# KiCad board APDS9960 Adapter board_panel.kicad_pcb (continued)
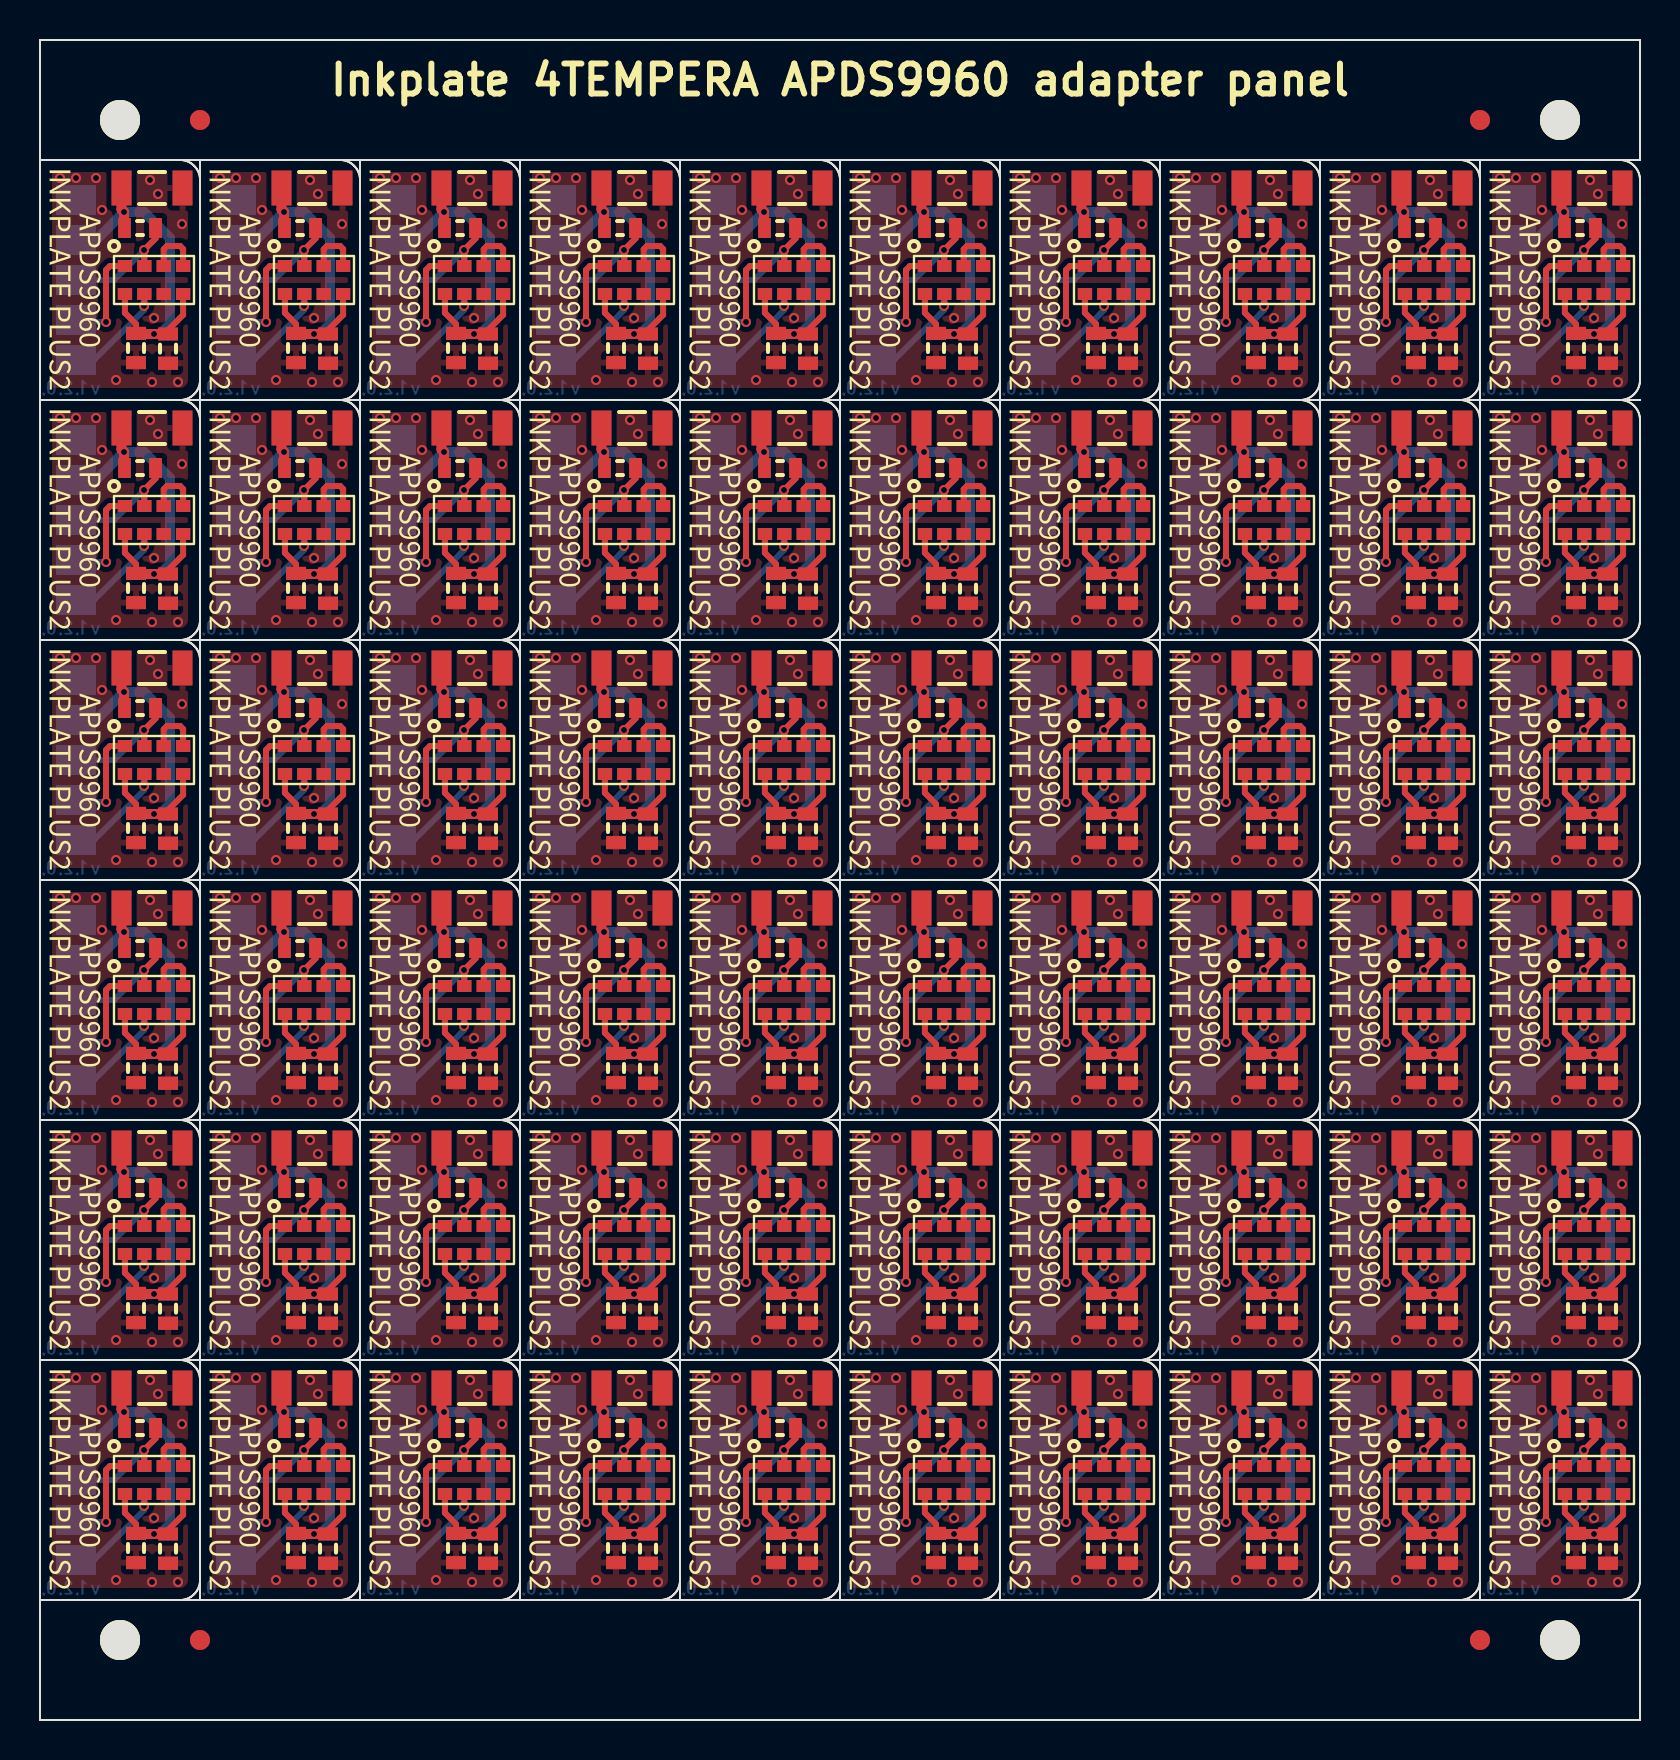
[diagram p0: board, top side]
## Routing (per net, layer and track width the routed paths; a pad name or vN(x,y) marks a point on that pad's centre or on a via; arc(x,y) is an arc through that point) (continued)
  Bottom w0.5: v1(69.7,57.3) 70,57.3 70.5,57.8 70.5,62.1 69.2,63.4 v1(68.2,63.4) 66.8,62 PAD4#39.1
Board_18-GND:
  vias: v1(65,65.1) v1(65.8,65.1) v1(66.8,65.1) v1(67.1,63.5) v1(67.8,55) v1(69.5,65) v1(69.6,54.9) v1(69.7,58.1) v1(69.9,64.3) v1(70.9,54.9) v1(71.1,62.8)
Board_18-I2C_SCL: length 5.2
  Top w0.3: U1#32.7 69.22,58.72 v1(69.2,58.7)
  Bottom w0.3: PAD2#15.1 66.7,56 69.2,58.5 v1(69.2,58.7)
Board_18-I2C_SDA: length 5.2
  Top w0.3: v1(67.3,57.9) 67.3,60.5 67.5,60.7 U1#32.1
  Bottom w0.3: PAD1#56.1 65.9,57.9 v1(67.3,57.9)
Board_18-INT_APDS: length 6.2
  Top w0.3: R1#7.1 69.78,62.08 v1(69.2,61.5) 69.22,61.49 U1#32.2
  Bottom w0.3: v1(69.2,61.5) 67.7,60 PAD3#27.1
Board_18-Net-(U1-Pad3): length 2.8
  Top w0.3: U1#32.3 70.19,61.54 70.35,61.7 71,61.7 71.16,61.55 U1#32.4
Board_19-3V3: length 20
  Top w0.3: U1#53.5 79.16,58.26 78.4,57.5 C2#2.2 ; U1#53.8 76.25,58.36 76.8,57.8 C1#26.2
  Top w0.5: C1#26.2 76.83,57.3 C2#2.2 v1(77.7,57.3) ; C3#6.2 76.08,63.53 v1(76.2,63.4) 76.2,62.63 R1#50.2
  Bottom w0.5: PAD4#38.1 74.8,62 v1(76.2,63.4) 77.2,63.4 78.5,62.1 78.5,57.8 78,57.3 v1(77.7,57.3)
Board_19-GND:
  vias: v1(73,65.1) v1(73.8,65.1) v1(74.8,65.1) v1(75.1,63.5) v1(75.8,55) v1(77.5,65) v1(77.6,54.9) v1(77.7,58.1) v1(77.9,64.3) v1(78.9,54.9) v1(79.1,62.8)
Board_19-I2C_SCL: length 5.2
  Top w0.3: U1#53.7 77.22,58.72 v1(77.2,58.7)
  Bottom w0.3: PAD2#54.1 74.7,56 77.2,58.5 v1(77.2,58.7)
Board_19-I2C_SDA: length 5.2
  Top w0.3: U1#53.1 75.5,60.7 75.3,60.5 v1(75.3,57.9)
  Bottom w0.3: PAD1#43.1 73.9,57.9 v1(75.3,57.9)
Board_19-INT_APDS: length 6.2
  Top w0.3: R1#50.1 77.78,62.08 v1(77.2,61.5) 77.22,61.49 U1#53.2
  Bottom w0.3: v1(77.2,61.5) 75.7,60 PAD3#49.1
Board_19-Net-(U1-Pad3): length 2.8
  Top w0.3: U1#53.4 79.16,61.55 79,61.7 78.35,61.7 78.19,61.54 U1#53.3
Board_20-3V3: length 20
  Top w0.3: U1#40.5 7.16,46.26 6.4,45.5 C2#29.2 ; C1#36.2 4.8,45.8 4.25,46.36 U1#40.8
  Top w0.5: v1(5.7,45.3) C2#29.2 4.83,45.3 C1#36.2 ; R1#40.2 4.2,50.63 v1(4.2,51.4) 4.08,51.53 C3#3.2
  Bottom w0.5: v1(5.7,45.3) 6,45.3 6.5,45.8 6.5,50.1 5.2,51.4 v1(4.2,51.4) 2.8,50 PAD4#3.1
Board_20-GND:
  vias: v1(1,53.1) v1(1.8,53.1) v1(2.8,53.1) v1(3.1,51.5) v1(3.8,43) v1(5.5,53) v1(5.6,42.9) v1(5.7,46.1) v1(5.9,52.3) v1(6.9,42.9) v1(7.1,50.8)
Board_20-I2C_SCL: length 5.2
  Top w0.3: U1#40.7 5.22,46.72 v1(5.2,46.7)
  Bottom w0.3: v1(5.2,46.7) 5.2,46.5 2.7,44 PAD2#60.1
Board_20-I2C_SDA: length 5.2
  Top w0.3: U1#40.1 3.5,48.7 3.3,48.5 v1(3.3,45.9)
  Bottom w0.3: v1(3.3,45.9) 1.9,45.9 PAD1#38.1
Board_20-INT_APDS: length 6.2
  Top w0.3: R1#40.1 5.78,50.08 v1(5.2,49.5) 5.22,49.49 U1#40.2
  Bottom w0.3: PAD3#44.1 3.7,48 v1(5.2,49.5)
Board_20-Net-(U1-Pad3): length 2.8
  Top w0.3: U1#40.4 7.16,49.55 7,49.7 6.35,49.7 6.19,49.54 U1#40.3
Board_21-3V3: length 20
  Top w0.3: C2#35.2 14.4,45.5 15.16,46.26 U1#25.5 ; C1#24.2 12.8,45.8 12.25,46.36 U1#25.8
  Top w0.5: R1#39.2 12.2,50.63 v1(12.2,51.4) 12.08,51.53 C3#34.2 ; C1#24.2 12.83,45.3 C2#35.2 v1(13.7,45.3)
  Bottom w0.5: PAD4#60.1 10.8,50 v1(12.2,51.4) 13.2,51.4 14.5,50.1 14.5,45.8 14,45.3 v1(13.7,45.3)
Board_21-GND:
  vias: v1(9,53.1) v1(9.8,53.1) v1(10.8,53.1) v1(11.1,51.5) v1(11.8,43) v1(13.5,53) v1(13.6,42.9) v1(13.7,46.1) v1(13.9,52.3) v1(14.9,42.9) v1(15.1,50.8)
Board_21-I2C_SCL: length 5.2
  Top w0.3: U1#25.7 13.22,46.72 v1(13.2,46.7)
  Bottom w0.3: v1(13.2,46.7) 13.2,46.5 10.7,44 PAD2#28.1
Board_21-I2C_SDA: length 5.2
  Top w0.3: U1#25.1 11.5,48.7 11.3,48.5 v1(11.3,45.9)
  Bottom w0.3: v1(11.3,45.9) 9.9,45.9 PAD1#29.1
Board_21-INT_APDS: length 6.2
  Top w0.3: R1#39.1 13.78,50.08 v1(13.2,49.5) 13.22,49.49 U1#25.2
  Bottom w0.3: v1(13.2,49.5) 11.7,48 PAD3#8.1
Board_21-Net-(U1-Pad3): length 2.8
  Top w0.3: U1#25.4 15.16,49.55 15,49.7 14.35,49.7 14.19,49.54 U1#25.3
Board_22-3V3: length 20
  Top w0.3: C2#37.2 22.4,45.5 23.16,46.26 U1#58.5 ; U1#58.8 20.25,46.36 20.8,45.8 C1#13.2
  Top w0.5: C1#13.2 20.83,45.3 C2#37.2 v1(21.7,45.3) ; C3#23.2 20.08,51.53 v1(20.2,51.4) 20.2,50.63 R1#16.2
  Bottom w0.5: PAD4#59.1 18.8,50 v1(20.2,51.4) 21.2,51.4 22.5,50.1 22.5,45.8 22,45.3 v1(21.7,45.3)
Board_22-GND:
  vias: v1(17,53.1) v1(17.8,53.1) v1(18.8,53.1) v1(19.1,51.5) v1(19.8,43) v1(21.5,53) v1(21.6,42.9) v1(21.7,46.1) v1(21.9,52.3) v1(22.9,42.9) v1(23.1,50.8)
Board_22-I2C_SCL: length 5.2
  Top w0.3: v1(21.2,46.7) 21.22,46.72 U1#58.7
  Bottom w0.3: PAD2#6.1 18.7,44 21.2,46.5 v1(21.2,46.7)
Board_22-I2C_SDA: length 5.2
  Top w0.3: v1(19.3,45.9) 19.3,48.5 19.5,48.7 U1#58.1
  Bottom w0.3: v1(19.3,45.9) 17.9,45.9 PAD1#15.1
Board_22-INT_APDS: length 6.2
  Top w0.3: U1#58.2 21.22,49.49 v1(21.2,49.5) 21.78,50.08 R1#16.1
  Bottom w0.3: v1(21.2,49.5) 19.7,48 PAD3#46.1
Board_22-Net-(U1-Pad3): length 2.8
  Top w0.3: U1#58.3 22.19,49.54 22.35,49.7 23,49.7 23.16,49.55 U1#58.4
Board_23-3V3: length 20
  Top w0.3: U1#12.8 28.25,46.36 28.8,45.8 C1#43.2 ; C2#46.2 30.4,45.5 31.16,46.26 U1#12.5
  Top w0.5: C3#40.2 28.08,51.53 v1(28.2,51.4) 28.2,50.63 R1#51.2 ; v1(29.7,45.3) C2#46.2 28.83,45.3 C1#43.2
  Bottom w0.5: v1(29.7,45.3) 30,45.3 30.5,45.8 30.5,50.1 29.2,51.4 v1(28.2,51.4) 26.8,50 PAD4#10.1
Board_23-GND:
  vias: v1(25,53.1) v1(25.8,53.1) v1(26.8,53.1) v1(27.1,51.5) v1(27.8,43) v1(29.5,53) v1(29.6,42.9) v1(29.7,46.1) v1(29.9,52.3) v1(30.9,42.9) v1(31.1,50.8)
Board_23-I2C_SCL: length 5.2
  Top w0.3: U1#12.7 29.22,46.72 v1(29.2,46.7)
  Bottom w0.3: PAD2#17.1 26.7,44 29.2,46.5 v1(29.2,46.7)
Board_23-I2C_SDA: length 5.2
  Top w0.3: U1#12.1 27.5,48.7 27.3,48.5 v1(27.3,45.9)
  Bottom w0.3: PAD1#9.1 25.9,45.9 v1(27.3,45.9)
Board_23-INT_APDS: length 6.2
  Top w0.3: R1#51.1 29.78,50.08 v1(29.2,49.5) 29.22,49.49 U1#12.2
  Bottom w0.3: v1(29.2,49.5) 27.7,48 PAD3#4.1
Board_23-Net-(U1-Pad3): length 2.8
  Top w0.3: U1#12.4 31.16,49.55 31,49.7 30.35,49.7 30.19,49.54 U1#12.3
Board_24-3V3: length 20
  Top w0.3: U1#39.8 36.25,46.36 36.8,45.8 C1#51.2 ; C2#60.2 38.4,45.5 39.16,46.26 U1#39.5
  Top w0.5: C3#2.2 36.08,51.53 v1(36.2,51.4) 36.2,50.63 R1#41.2 ; v1(37.7,45.3) C2#60.2 36.83,45.3 C1#51.2
  Bottom w0.5: PAD4#51.1 34.8,50 v1(36.2,51.4) 37.2,51.4 38.5,50.1 38.5,45.8 38,45.3 v1(37.7,45.3)
Board_24-GND:
  vias: v1(33,53.1) v1(33.8,53.1) v1(34.8,53.1) v1(35.1,51.5) v1(35.8,43) v1(37.5,53) v1(37.6,42.9) v1(37.7,46.1) v1(37.9,52.3) v1(38.9,42.9) v1(39.1,50.8)
Board_24-I2C_SCL: length 5.2
  Top w0.3: v1(37.2,46.7) 37.22,46.72 U1#39.7
  Bottom w0.3: PAD2#4.1 34.7,44 37.2,46.5 v1(37.2,46.7)
Board_24-I2C_SDA: length 5.2
  Top w0.3: U1#39.1 35.5,48.7 35.3,48.5 v1(35.3,45.9)
  Bottom w0.3: PAD1#59.1 33.9,45.9 v1(35.3,45.9)
Board_24-INT_APDS: length 6.2
  Top w0.3: R1#41.1 37.78,50.08 v1(37.2,49.5) 37.22,49.49 U1#39.2
  Bottom w0.3: v1(37.2,49.5) 35.7,48 PAD3#14.1
Board_24-Net-(U1-Pad3): length 2.8
  Top w0.3: U1#39.4 39.16,49.55 39,49.7 38.35,49.7 38.19,49.54 U1#39.3
Board_25-3V3: length 20
  Top w0.3: U1#28.5 47.16,46.26 46.4,45.5 C2#36.2 ; C1#12.2 44.8,45.8 44.25,46.36 U1#28.8
  Top w0.5: v1(45.7,45.3) C2#36.2 44.83,45.3 C1#12.2 ; R1#35.2 44.2,50.63 v1(44.2,51.4) 44.08,51.53 C3#17.2
  Bottom w0.5: PAD4#27.1 42.8,50 v1(44.2,51.4) 45.2,51.4 46.5,50.1 46.5,45.8 46,45.3 v1(45.7,45.3)
Board_25-GND:
  vias: v1(41,53.1) v1(41.8,53.1) v1(42.8,53.1) v1(43.1,51.5) v1(43.8,43) v1(45.5,53) v1(45.6,42.9) v1(45.7,46.1) v1(45.9,52.3) v1(46.9,42.9) v1(47.1,50.8)
Board_25-I2C_SCL: length 5.2
  Top w0.3: U1#28.7 45.22,46.72 v1(45.2,46.7)
  Bottom w0.3: v1(45.2,46.7) 45.2,46.5 42.7,44 PAD2#55.1
Board_25-I2C_SDA: length 5.2
  Top w0.3: v1(43.3,45.9) 43.3,48.5 43.5,48.7 U1#28.1
  Bottom w0.3: v1(43.3,45.9) 41.9,45.9 PAD1#40.1
Board_25-INT_APDS: length 6.2
  Top w0.3: R1#35.1 45.78,50.08 v1(45.2,49.5) 45.22,49.49 U1#28.2
  Bottom w0.3: PAD3#51.1 43.7,48 v1(45.2,49.5)
Board_25-Net-(U1-Pad3): length 2.8
  Top w0.3: U1#28.4 47.16,49.55 47,49.7 46.35,49.7 46.19,49.54 U1#28.3
Board_26-3V3: length 20
  Top w0.3: C2#5.2 54.4,45.5 55.16,46.26 U1#4.5 ; C1#35.2 52.8,45.8 52.25,46.36 U1#4.8
  Top w0.5: R1#37.2 52.2,50.63 v1(52.2,51.4) 52.08,51.53 C3#55.2 ; C1#35.2 52.83,45.3 C2#5.2 v1(53.7,45.3)
  Bottom w0.5: PAD4#33.1 50.8,50 v1(52.2,51.4) 53.2,51.4 54.5,50.1 54.5,45.8 54,45.3 v1(53.7,45.3)
Board_26-GND:
  vias: v1(49,53.1) v1(49.8,53.1) v1(50.8,53.1) v1(51.1,51.5) v1(51.8,43) v1(53.5,53) v1(53.6,42.9) v1(53.7,46.1) v1(53.9,52.3) v1(54.9,42.9) v1(55.1,50.8)
Board_26-I2C_SCL: length 5.2
  Top w0.3: v1(53.2,46.7) 53.22,46.72 U1#4.7
  Bottom w0.3: v1(53.2,46.7) 53.2,46.5 50.7,44 PAD2#53.1
Board_26-I2C_SDA: length 5.2
  Top w0.3: U1#4.1 51.5,48.7 51.3,48.5 v1(51.3,45.9)
  Bottom w0.3: PAD1#8.1 49.9,45.9 v1(51.3,45.9)
Board_26-INT_APDS: length 6.2
  Top w0.3: U1#4.2 53.22,49.49 v1(53.2,49.5) 53.78,50.08 R1#37.1
  Bottom w0.3: v1(53.2,49.5) 51.7,48 PAD3#55.1
Board_26-Net-(U1-Pad3): length 2.8
  Top w0.3: U1#4.3 54.19,49.54 54.35,49.7 55,49.7 55.16,49.55 U1#4.4
Board_27-3V3: length 20
  Top w0.3: C1#14.2 60.8,45.8 60.25,46.36 U1#7.8 ; C2#3.2 62.4,45.5 63.16,46.26 U1#7.5
  Top w0.5: v1(61.7,45.3) C2#3.2 60.83,45.3 C1#14.2 ; R1#11.2 60.2,50.63 v1(60.2,51.4) 60.08,51.53 C3#26.2
  Bottom w0.5: PAD4#13.1 58.8,50 v1(60.2,51.4) 61.2,51.4 62.5,50.1 62.5,45.8 62,45.3 v1(61.7,45.3)
Board_27-GND:
  vias: v1(57,53.1) v1(57.8,53.1) v1(58.8,53.1) v1(59.1,51.5) v1(59.8,43) v1(61.5,53) v1(61.6,42.9) v1(61.7,46.1) v1(61.9,52.3) v1(62.9,42.9) v1(63.1,50.8)
Board_27-I2C_SCL: length 5.2
  Top w0.3: v1(61.2,46.7) 61.22,46.72 U1#7.7
  Bottom w0.3: v1(61.2,46.7) 61.2,46.5 58.7,44 PAD2#41.1
Board_27-I2C_SDA: length 5.2
  Top w0.3: v1(59.3,45.9) 59.3,48.5 59.5,48.7 U1#7.1
  Bottom w0.3: PAD1#16.1 57.9,45.9 v1(59.3,45.9)
Board_27-INT_APDS: length 6.2
  Top w0.3: U1#7.2 61.22,49.49 v1(61.2,49.5) 61.78,50.08 R1#11.1
  Bottom w0.3: v1(61.2,49.5) 59.7,48 PAD3#25.1
Board_27-Net-(U1-Pad3): length 2.8
  Top w0.3: U1#7.4 63.16,49.55 63,49.7 62.35,49.7 62.19,49.54 U1#7.3
Board_28-3V3: length 20
  Top w0.3: C2#58.2 70.4,45.5 71.16,46.26 U1#15.5 ; U1#15.8 68.25,46.36 68.8,45.8 C1#56.2
  Top w0.5: v1(69.7,45.3) C2#58.2 68.83,45.3 C1#56.2 ; C3#32.2 68.08,51.53 v1(68.2,51.4) 68.2,50.63 R1#2.2
  Bottom w0.5: PAD4#14.1 66.8,50 v1(68.2,51.4) 69.2,51.4 70.5,50.1 70.5,45.8 70,45.3 v1(69.7,45.3)
Board_28-GND:
  vias: v1(65,53.1) v1(65.8,53.1) v1(66.8,53.1) v1(67.1,51.5) v1(67.8,43) v1(69.5,53) v1(69.6,42.9) v1(69.7,46.1) v1(69.9,52.3) v1(70.9,42.9) v1(71.1,50.8)
Board_28-I2C_SCL: length 5.2
  Top w0.3: U1#15.7 69.22,46.72 v1(69.2,46.7)
  Bottom w0.3: v1(69.2,46.7) 69.2,46.5 66.7,44 PAD2#43.1
Board_28-I2C_SDA: length 5.2
  Top w0.3: U1#15.1 67.5,48.7 67.3,48.5 v1(67.3,45.9)
  Bottom w0.3: v1(67.3,45.9) 65.9,45.9 PAD1#27.1
Board_28-INT_APDS: length 6.2
  Top w0.3: R1#2.1 69.78,50.08 v1(69.2,49.5) 69.22,49.49 U1#15.2
  Bottom w0.3: PAD3#15.1 67.7,48 v1(69.2,49.5)
Board_28-Net-(U1-Pad3): length 2.8
  Top w0.3: U1#15.4 71.16,49.55 71,49.7 70.35,49.7 70.19,49.54 U1#15.3
Board_29-3V3: length 20
  Top w0.3: U1#11.8 76.25,46.36 76.8,45.8 C1#19.2 ; C2#21.2 78.4,45.5 79.16,46.26 U1#11.5
  Top w0.5: C3#7.2 76.08,51.53 v1(76.2,51.4) 76.2,50.63 R1#22.2 ; C1#19.2 76.83,45.3 C2#21.2 v1(77.7,45.3)
  Bottom w0.5: PAD4#47.1 74.8,50 v1(76.2,51.4) 77.2,51.4 78.5,50.1 78.5,45.8 78,45.3 v1(77.7,45.3)
Board_29-GND:
  vias: v1(73,53.1) v1(73.8,53.1) v1(74.8,53.1) v1(75.1,51.5) v1(75.8,43) v1(77.5,53) v1(77.6,42.9) v1(77.7,46.1) v1(77.9,52.3) v1(78.9,42.9) v1(79.1,50.8)
Board_29-I2C_SCL: length 5.2
  Top w0.3: v1(77.2,46.7) 77.22,46.72 U1#11.7
  Bottom w0.3: PAD2#30.1 74.7,44 77.2,46.5 v1(77.2,46.7)
Board_29-I2C_SDA: length 5.2
  Top w0.3: v1(75.3,45.9) 75.3,48.5 75.5,48.7 U1#11.1
  Bottom w0.3: v1(75.3,45.9) 73.9,45.9 PAD1#4.1
Board_29-INT_APDS: length 6.2
  Top w0.3: R1#22.1 77.78,50.08 v1(77.2,49.5) 77.22,49.49 U1#11.2
  Bottom w0.3: v1(77.2,49.5) 75.7,48 PAD3#10.1
Board_29-Net-(U1-Pad3): length 2.8
  Top w0.3: U1#11.3 78.19,49.54 78.35,49.7 79,49.7 79.16,49.55 U1#11.4
Board_30-3V3: length 20
  Top w0.3: C2#48.2 6.4,33.5 7.16,34.26 U1#43.5 ; C1#25.2 4.8,33.8 4.25,34.36 U1#43.8
  Top w0.5: C1#25.2 4.83,33.3 C2#48.2 v1(5.7,33.3) ; R1#59.2 4.2,38.63 v1(4.2,39.4) 4.08,39.53 C3#8.2
  Bottom w0.5: v1(5.7,33.3) 6,33.3 6.5,33.8 6.5,38.1 5.2,39.4 v1(4.2,39.4) 2.8,38 PAD4#23.1
Board_30-GND:
  vias: v1(1,41.1) v1(1.8,41.1) v1(2.8,41.1) v1(3.1,39.5) v1(3.8,31) v1(5.5,41) v1(5.6,30.9) v1(5.7,34.1) v1(5.9,40.3) v1(6.9,30.9) v1(7.1,38.8)
Board_30-I2C_SCL: length 5.2
  Top w0.3: U1#43.7 5.22,34.72 v1(5.2,34.7)
  Bottom w0.3: PAD2#52.1 2.7,32 5.2,34.5 v1(5.2,34.7)
Board_30-I2C_SDA: length 5.2
  Top w0.3: v1(3.3,33.9) 3.3,36.5 3.5,36.7 U1#43.1
  Bottom w0.3: PAD1#46.1 1.9,33.9 v1(3.3,33.9)
Board_30-INT_APDS: length 6.2
  Top w0.3: U1#43.2 5.22,37.49 v1(5.2,37.5) 5.78,38.08 R1#59.1
  Bottom w0.3: PAD3#5.1 3.7,36 v1(5.2,37.5)
Board_30-Net-(U1-Pad3): length 2.8
  Top w0.3: U1#43.3 6.19,37.54 6.35,37.7 7,37.7 7.16,37.55 U1#43.4
Board_31-3V3: length 20
  Top w0.3: C2#12.2 14.4,33.5 15.16,34.26 U1#57.5 ; U1#57.8 12.25,34.36 12.8,33.8 C1#53.2
  Top w0.5: v1(13.7,33.3) C2#12.2 12.83,33.3 C1#53.2 ; R1#47.2 12.2,38.63 v1(12.2,39.4) 12.08,39.53 C3#41.2
  Bottom w0.5: v1(13.7,33.3) 14,33.3 14.5,33.8 14.5,38.1 13.2,39.4 v1(12.2,39.4) 10.8,38 PAD4#54.1
Board_31-GND:
  vias: v1(9,41.1) v1(9.8,41.1) v1(10.8,41.1) v1(11.1,39.5) v1(11.8,31) v1(13.5,41) v1(13.6,30.9) v1(13.7,34.1) v1(13.9,40.3) v1(14.9,30.9) v1(15.1,38.8)
Board_31-I2C_SCL: length 5.2
  Top w0.3: v1(13.2,34.7) 13.22,34.72 U1#57.7
  Bottom w0.3: PAD2#22.1 10.7,32 13.2,34.5 v1(13.2,34.7)
Board_31-I2C_SDA: length 5.2
  Top w0.3: U1#57.1 11.5,36.7 11.3,36.5 v1(11.3,33.9)
  Bottom w0.3: PAD1#50.1 9.9,33.9 v1(11.3,33.9)
Board_31-INT_APDS: length 6.2
  Top w0.3: U1#57.2 13.22,37.49 v1(13.2,37.5) 13.78,38.08 R1#47.1
  Bottom w0.3: v1(13.2,37.5) 11.7,36 PAD3#37.1
Board_31-Net-(U1-Pad3): length 2.8
  Top w0.3: U1#57.4 15.16,37.55 15,37.7 14.35,37.7 14.19,37.54 U1#57.3
Board_32-3V3: length 20
  Top w0.3: U1#41.5 23.16,34.26 22.4,33.5 C2#4.2 ; C1#45.2 20.8,33.8 20.25,34.36 U1#41.8
  Top w0.5: v1(21.7,33.3) C2#4.2 20.83,33.3 C1#45.2 ; R1#23.2 20.2,38.63 v1(20.2,39.4) 20.08,39.53 C3#33.2
  Bottom w0.5: v1(21.7,33.3) 22,33.3 22.5,33.8 22.5,38.1 21.2,39.4 v1(20.2,39.4) 18.8,38 PAD4#31.1
Board_32-GND:
  vias: v1(17,41.1) v1(17.8,41.1) v1(18.8,41.1) v1(19.1,39.5) v1(19.8,31) v1(21.5,41) v1(21.6,30.9) v1(21.7,34.1) v1(21.9,40.3) v1(22.9,30.9) v1(23.1,38.8)
Board_32-I2C_SCL: length 5.2
  Top w0.3: U1#41.7 21.22,34.72 v1(21.2,34.7)
  Bottom w0.3: v1(21.2,34.7) 21.2,34.5 18.7,32 PAD2#45.1
Board_32-I2C_SDA: length 5.2
  Top w0.3: v1(19.3,33.9) 19.3,36.5 19.5,36.7 U1#41.1
  Bottom w0.3: PAD1#33.1 17.9,33.9 v1(19.3,33.9)
Board_32-INT_APDS: length 6.2
  Top w0.3: R1#23.1 21.78,38.08 v1(21.2,37.5) 21.22,37.49 U1#41.2
  Bottom w0.3: v1(21.2,37.5) 19.7,36 PAD3#29.1
Board_32-Net-(U1-Pad3): length 2.8
  Top w0.3: U1#41.4 23.16,37.55 23,37.7 22.35,37.7 22.19,37.54 U1#41.3
Board_33-3V3: length 20
  Top w0.3: C1#42.2 28.8,33.8 28.25,34.36 U1#31.8 ; U1#31.5 31.16,34.26 30.4,33.5 C2#27.2
  Top w0.5: C1#42.2 28.83,33.3 C2#27.2 v1(29.7,33.3) ; C3#49.2 28.08,39.53 v1(28.2,39.4) 28.2,38.63 R1.2
  Bottom w0.5: v1(29.7,33.3) 30,33.3 30.5,33.8 30.5,38.1 29.2,39.4 v1(28.2,39.4) 26.8,38 PAD4#20.1
Board_33-GND:
  vias: v1(25,41.1) v1(25.8,41.1) v1(26.8,41.1) v1(27.1,39.5) v1(27.8,31) v1(29.5,41) v1(29.6,30.9) v1(29.7,34.1) v1(29.9,40.3) v1(30.9,30.9) v1(31.1,38.8)
Board_33-I2C_SCL: length 5.2
  Top w0.3: v1(29.2,34.7) 29.22,34.72 U1#31.7
  Bottom w0.3: PAD2#42.1 26.7,32 29.2,34.5 v1(29.2,34.7)
Board_33-I2C_SDA: length 5.2
  Top w0.3: U1#31.1 27.5,36.7 27.3,36.5 v1(27.3,33.9)
  Bottom w0.3: v1(27.3,33.9) 25.9,33.9 PAD1#48.1
Board_33-INT_APDS: length 6.2
  Top w0.3: R1.1 29.78,38.08 v1(29.2,37.5) 29.22,37.49 U1#31.2
  Bottom w0.3: PAD3#21.1 27.7,36 v1(29.2,37.5)
Board_33-Net-(U1-Pad3): length 2.8
  Top w0.3: U1#31.3 30.19,37.54 30.35,37.7 31,37.7 31.16,37.55 U1#31.4
Board_34-3V3: length 20
  Top w0.3: U1#33.5 39.16,34.26 38.4,33.5 C2#17.2 ; C1#16.2 36.8,33.8 36.25,34.36 U1#33.8
  Top w0.5: C3#48.2 36.08,39.53 v1(36.2,39.4) 36.2,38.63 R1#19.2 ; C1#16.2 36.83,33.3 C2#17.2 v1(37.7,33.3)
  Bottom w0.5: v1(37.7,33.3) 38,33.3 38.5,33.8 38.5,38.1 37.2,39.4 v1(36.2,39.4) 34.8,38 PAD4#35.1
Board_34-GND:
  vias: v1(33,41.1) v1(33.8,41.1) v1(34.8,41.1) v1(35.1,39.5) v1(35.8,31) v1(37.5,41) v1(37.6,30.9) v1(37.7,34.1) v1(37.9,40.3) v1(38.9,30.9) v1(39.1,38.8)
Board_34-I2C_SCL: length 5.2
  Top w0.3: v1(37.2,34.7) 37.22,34.72 U1#33.7
  Bottom w0.3: v1(37.2,34.7) 37.2,34.5 34.7,32 PAD2#31.1
Board_34-I2C_SDA: length 5.2
  Top w0.3: U1#33.1 35.5,36.7 35.3,36.5 v1(35.3,33.9)
  Bottom w0.3: PAD1#44.1 33.9,33.9 v1(35.3,33.9)
Board_34-INT_APDS: length 6.2
  Top w0.3: R1#19.1 37.78,38.08 v1(37.2,37.5) 37.22,37.49 U1#33.2
  Bottom w0.3: v1(37.2,37.5) 35.7,36 PAD3#47.1
Board_34-Net-(U1-Pad3): length 2.8
  Top w0.3: U1#33.4 39.16,37.55 39,37.7 38.35,37.7 38.19,37.54 U1#33.3
Board_35-3V3: length 20
  Top w0.3: C2#51.2 46.4,33.5 47.16,34.26 U1#3.5 ; U1#3.8 44.25,34.36 44.8,33.8 C1#6.2
  Top w0.5: R1#25.2 44.2,38.63 v1(44.2,39.4) 44.08,39.53 C3#22.2 ; C1#6.2 44.83,33.3 C2#51.2 v1(45.7,33.3)
  Bottom w0.5: v1(45.7,33.3) 46,33.3 46.5,33.8 46.5,38.1 45.2,39.4 v1(44.2,39.4) 42.8,38 PAD4#46.1
Board_35-GND:
  vias: v1(41,41.1) v1(41.8,41.1) v1(42.8,41.1) v1(43.1,39.5) v1(43.8,31) v1(45.5,41) v1(45.6,30.9) v1(45.7,34.1) v1(45.9,40.3) v1(46.9,30.9) v1(47.1,38.8)
Board_35-I2C_SCL: length 5.2
  Top w0.3: v1(45.2,34.7) 45.22,34.72 U1#3.7
  Bottom w0.3: PAD2#20.1 42.7,32 45.2,34.5 v1(45.2,34.7)
Board_35-I2C_SDA: length 5.2
  Top w0.3: U1#3.1 43.5,36.7 43.3,36.5 v1(43.3,33.9)
  Bottom w0.3: v1(43.3,33.9) 41.9,33.9 PAD1#41.1
Board_35-INT_APDS: length 6.2
  Top w0.3: U1#3.2 45.22,37.49 v1(45.2,37.5) 45.78,38.08 R1#25.1
  Bottom w0.3: PAD3#11.1 43.7,36 v1(45.2,37.5)
Board_35-Net-(U1-Pad3): length 2.8
  Top w0.3: U1#3.4 47.16,37.55 47,37.7 46.35,37.7 46.19,37.54 U1#3.3
Board_36-3V3: length 20
  Top w0.3: U1#24.8 52.25,34.36 52.8,33.8 C1#54.2 ; U1#24.5 55.16,34.26 54.4,33.5 C2#18.2
  Top w0.5: v1(53.7,33.3) C2#18.2 52.83,33.3 C1#54.2 ; R1#42.2 52.2,38.63 v1(52.2,39.4) 52.08,39.53 C3#42.2
  Bottom w0.5: v1(53.7,33.3) 54,33.3 54.5,33.8 54.5,38.1 53.2,39.4 v1(52.2,39.4) 50.8,38 PAD4#12.1
Board_36-GND:
  vias: v1(49,41.1) v1(49.8,41.1) v1(50.8,41.1) v1(51.1,39.5) v1(51.8,31) v1(53.5,41) v1(53.6,30.9) v1(53.7,34.1) v1(53.9,40.3) v1(54.9,30.9) v1(55.1,38.8)
Board_36-I2C_SCL: length 5.2
  Top w0.3: U1#24.7 53.22,34.72 v1(53.2,34.7)
  Bottom w0.3: v1(53.2,34.7) 53.2,34.5 50.7,32 PAD2#24.1
Board_36-I2C_SDA: length 5.2
  Top w0.3: v1(51.3,33.9) 51.3,36.5 51.5,36.7 U1#24.1
  Bottom w0.3: v1(51.3,33.9) 49.9,33.9 PAD1#10.1
Board_36-INT_APDS: length 6.2
  Top w0.3: R1#42.1 53.78,38.08 v1(53.2,37.5) 53.22,37.49 U1#24.2
  Bottom w0.3: PAD3#12.1 51.7,36 v1(53.2,37.5)
Board_36-Net-(U1-Pad3): length 2.8
  Top w0.3: U1#24.3 54.19,37.54 54.35,37.7 55,37.7 55.16,37.55 U1#24.4
Board_37-3V3: length 20
  Top w0.3: U1.5 63.16,34.26 62.4,33.5 C2#10.2 ; U1.8 60.25,34.36 60.8,33.8 C1#29.2
  Top w0.5: C3#30.2 60.08,39.53 v1(60.2,39.4) 60.2,38.63 R1#9.2 ; C1#29.2 60.83,33.3 C2#10.2 v1(61.7,33.3)
  Bottom w0.5: PAD4#45.1 58.8,38 v1(60.2,39.4) 61.2,39.4 62.5,38.1 62.5,33.8 62,33.3 v1(61.7,33.3)
Board_37-GND:
  vias: v1(57,41.1) v1(57.8,41.1) v1(58.8,41.1) v1(59.1,39.5) v1(59.8,31) v1(61.5,41) v1(61.6,30.9) v1(61.7,34.1) v1(61.9,40.3) v1(62.9,30.9) v1(63.1,38.8)
Board_37-I2C_SCL: length 5.2
  Top w0.3: v1(61.2,34.7) 61.22,34.72 U1.7
  Bottom w0.3: PAD2#51.1 58.7,32 61.2,34.5 v1(61.2,34.7)
Board_37-I2C_SDA: length 5.2
  Top w0.3: v1(59.3,33.9) 59.3,36.5 59.5,36.7 U1.1
  Bottom w0.3: v1(59.3,33.9) 57.9,33.9 PAD1#12.1
Board_37-INT_APDS: length 6.2
  Top w0.3: U1.2 61.22,37.49 v1(61.2,37.5) 61.78,38.08 R1#9.1
  Bottom w0.3: PAD3#54.1 59.7,36 v1(61.2,37.5)
Board_37-Net-(U1-Pad3): length 2.8
  Top w0.3: U1.3 62.19,37.54 62.35,37.7 63,37.7 63.16,37.55 U1.4
Board_38-3V3: length 20
  Top w0.3: C2#52.2 70.4,33.5 71.16,34.26 U1#55.5 ; U1#55.8 68.25,34.36 68.8,33.8 C1#41.2
  Top w0.5: C3#29.2 68.08,39.53 v1(68.2,39.4) 68.2,38.63 R1#32.2 ; C1#41.2 68.83,33.3 C2#52.2 v1(69.7,33.3)
  Bottom w0.5: v1(69.7,33.3) 70,33.3 70.5,33.8 70.5,38.1 69.2,39.4 v1(68.2,39.4) 66.8,38 PAD4#15.1
Board_38-GND:
  vias: v1(65,41.1) v1(65.8,41.1) v1(66.8,41.1) v1(67.1,39.5) v1(67.8,31) v1(69.5,41) v1(69.6,30.9) v1(69.7,34.1) v1(69.9,40.3) v1(70.9,30.9) v1(71.1,38.8)
Board_38-I2C_SCL: length 5.2
  Top w0.3: U1#55.7 69.22,34.72 v1(69.2,34.7)
  Bottom w0.3: PAD2#40.1 66.7,32 69.2,34.5 v1(69.2,34.7)
Board_38-I2C_SDA: length 5.2
  Top w0.3: U1#55.1 67.5,36.7 67.3,36.5 v1(67.3,33.9)
  Bottom w0.3: PAD1#3.1 65.9,33.9 v1(67.3,33.9)
Board_38-INT_APDS: length 6.2
  Top w0.3: R1#32.1 69.78,38.08 v1(69.2,37.5) 69.22,37.49 U1#55.2
  Bottom w0.3: PAD3#16.1 67.7,36 v1(69.2,37.5)
Board_38-Net-(U1-Pad3): length 2.8
  Top w0.3: U1#55.3 70.19,37.54 70.35,37.7 71,37.7 71.16,37.55 U1#55.4
Board_39-3V3: length 20
  Top w0.3: C1#4.2 76.8,33.8 76.25,34.36 U1#46.8 ; U1#46.5 79.16,34.26 78.4,33.5 C2#23.2
  Top w0.5: v1(77.7,33.3) C2#23.2 76.83,33.3 C1#4.2 ; R1#29.2 76.2,38.63 v1(76.2,39.4) 76.08,39.53 C3#39.2
  Bottom w0.5: PAD4#11.1 74.8,38 v1(76.2,39.4) 77.2,39.4 78.5,38.1 78.5,33.8 78,33.3 v1(77.7,33.3)
Board_39-GND:
  vias: v1(73,41.1) v1(73.8,41.1) v1(74.8,41.1) v1(75.1,39.5) v1(75.8,31) v1(77.5,41) v1(77.6,30.9) v1(77.7,34.1) v1(77.9,40.3) v1(78.9,30.9) v1(79.1,38.8)
Board_39-I2C_SCL: length 5.2
  Top w0.3: U1#46.7 77.22,34.72 v1(77.2,34.7)
  Bottom w0.3: PAD2#29.1 74.7,32 77.2,34.5 v1(77.2,34.7)
Board_39-I2C_SDA: length 5.2
  Top w0.3: U1#46.1 75.5,36.7 75.3,36.5 v1(75.3,33.9)
  Bottom w0.3: PAD1#34.1 73.9,33.9 v1(75.3,33.9)
Board_39-INT_APDS: length 6.2
  Top w0.3: U1#46.2 77.22,37.49 v1(77.2,37.5) 77.78,38.08 R1#29.1
  Bottom w0.3: PAD3#40.1 75.7,36 v1(77.2,37.5)
Board_39-Net-(U1-Pad3): length 2.8
  Top w0.3: U1#46.3 78.19,37.54 78.35,37.7 79,37.7 79.16,37.55 U1#46.4
Board_40-3V3: length 20
  Top w0.3: U1#42.5 7.16,22.26 6.4,21.5 C2#25.2 ; C1#50.2 4.8,21.8 4.25,22.36 U1#42.8
  Top w0.5: C3#45.2 4.08,27.53 v1(4.2,27.4) 4.2,26.63 R1#56.2 ; v1(5.7,21.3) C2#25.2 4.83,21.3 C1#50.2
  Bottom w0.5: PAD4#18.1 2.8,26 v1(4.2,27.4) 5.2,27.4 6.5,26.1 6.5,21.8 6,21.3 v1(5.7,21.3)
Board_40-GND:
  vias: v1(1,29.1) v1(1.8,29.1) v1(2.8,29.1) v1(3.1,27.5) v1(3.8,19) v1(5.5,29) v1(5.6,18.9) v1(5.7,22.1) v1(5.9,28.3) v1(6.9,18.9) v1(7.1,26.8)
Board_40-I2C_SCL: length 5.2
  Top w0.3: U1#42.7 5.22,22.72 v1(5.2,22.7)
  Bottom w0.3: PAD2#38.1 2.7,20 5.2,22.5 v1(5.2,22.7)
Board_40-I2C_SDA: length 5.2
  Top w0.3: v1(3.3,21.9) 3.3,24.5 3.5,24.7 U1#42.1
  Bottom w0.3: v1(3.3,21.9) 1.9,21.9 PAD1#55.1
Board_40-INT_APDS: length 6.2
  Top w0.3: U1#42.2 5.22,25.49 v1(5.2,25.5) 5.78,26.08 R1#56.1
  Bottom w0.3: PAD3#56.1 3.7,24 v1(5.2,25.5)
Board_40-Net-(U1-Pad3): length 2.8
  Top w0.3: U1#42.4 7.16,25.55 7,25.7 6.35,25.7 6.19,25.54 U1#42.3
Board_41-3V3: length 20
  Top w0.3: C1#34.2 12.8,21.8 12.25,22.36 U1#35.8 ; C2#20.2 14.4,21.5 15.16,22.26 U1#35.5
  Top w0.5: C3#4.2 12.08,27.53 v1(12.2,27.4) 12.2,26.63 R1#14.2 ; v1(13.7,21.3) C2#20.2 12.83,21.3 C1#34.2
  Bottom w0.5: v1(13.7,21.3) 14,21.3 14.5,21.8 14.5,26.1 13.2,27.4 v1(12.2,27.4) 10.8,26 PAD4#44.1
Board_41-GND:
  vias: v1(9,29.1) v1(9.8,29.1) v1(10.8,29.1) v1(11.1,27.5) v1(11.8,19) v1(13.5,29) v1(13.6,18.9) v1(13.7,22.1) v1(13.9,28.3) v1(14.9,18.9) v1(15.1,26.8)
Board_41-I2C_SCL: length 5.2
  Top w0.3: U1#35.7 13.22,22.72 v1(13.2,22.7)
  Bottom w0.3: v1(13.2,22.7) 13.2,22.5 10.7,20 PAD2#8.1
Board_41-I2C_SDA: length 5.2
  Top w0.3: U1#35.1 11.5,24.7 11.3,24.5 v1(11.3,21.9)
  Bottom w0.3: PAD1#21.1 9.9,21.9 v1(11.3,21.9)
Board_41-INT_APDS: length 6.2
  Top w0.3: U1#35.2 13.22,25.49 v1(13.2,25.5) 13.78,26.08 R1#14.1
  Bottom w0.3: v1(13.2,25.5) 11.7,24 PAD3#36.1
Board_41-Net-(U1-Pad3): length 2.8
  Top w0.3: U1#35.4 15.16,25.55 15,25.7 14.35,25.7 14.19,25.54 U1#35.3
Board_42-3V3: length 20
  Top w0.3: C1#11.2 20.8,21.8 20.25,22.36 U1#20.8 ; U1#20.5 23.16,22.26 22.4,21.5 C2#41.2
  Top w0.5: R1#46.2 20.2,26.63 v1(20.2,27.4) 20.08,27.53 C3#13.2 ; v1(21.7,21.3) C2#41.2 20.83,21.3 C1#11.2
  Bottom w0.5: PAD4#26.1 18.8,26 v1(20.2,27.4) 21.2,27.4 22.5,26.1 22.5,21.8 22,21.3 v1(21.7,21.3)
Board_42-GND:
  vias: v1(17,29.1) v1(17.8,29.1) v1(18.8,29.1) v1(19.1,27.5) v1(19.8,19) v1(21.5,29) v1(21.6,18.9) v1(21.7,22.1) v1(21.9,28.3) v1(22.9,18.9) v1(23.1,26.8)
Board_42-I2C_SCL: length 5.2
  Top w0.3: U1#20.7 21.22,22.72 v1(21.2,22.7)
  Bottom w0.3: v1(21.2,22.7) 21.2,22.5 18.7,20 PAD2#35.1
Board_42-I2C_SDA: length 5.2
  Top w0.3: U1#20.1 19.5,24.7 19.3,24.5 v1(19.3,21.9)
  Bottom w0.3: PAD1#6.1 17.9,21.9 v1(19.3,21.9)
Board_42-INT_APDS: length 6.2
  Top w0.3: U1#20.2 21.22,25.49 v1(21.2,25.5) 21.78,26.08 R1#46.1
  Bottom w0.3: v1(21.2,25.5) 19.7,24 PAD3#2.1
Board_42-Net-(U1-Pad3): length 2.8
  Top w0.3: U1#20.4 23.16,25.55 23,25.7 22.35,25.7 22.19,25.54 U1#20.3
Board_43-3V3: length 20
  Top w0.3: U1#6.5 31.16,22.26 30.4,21.5 C2#6.2 ; C1#40.2 28.8,21.8 28.25,22.36 U1#6.8
  Top w0.5: C1#40.2 28.83,21.3 C2#6.2 v1(29.7,21.3) ; C3#53.2 28.08,27.53 v1(28.2,27.4) 28.2,26.63 R1#21.2
  Bottom w0.5: v1(29.7,21.3) 30,21.3 30.5,21.8 30.5,26.1 29.2,27.4 v1(28.2,27.4) 26.8,26 PAD4#21.1
